# Altium PCB Ikea Environmental Sensor.PcbDoc (part 2 of 2)
Units mm, origin at the board's own origin, x right, y up, seen from the top; angles counter-clockwise.
Board outline 20 x 74.75 mm, 4 copper layers (Top Layer, Mid Layer 1, Mid Layer 2, Bottom Layer), stack 1.57 mm thick; 88 components, 61 nets, 301 pads, 204 vias.
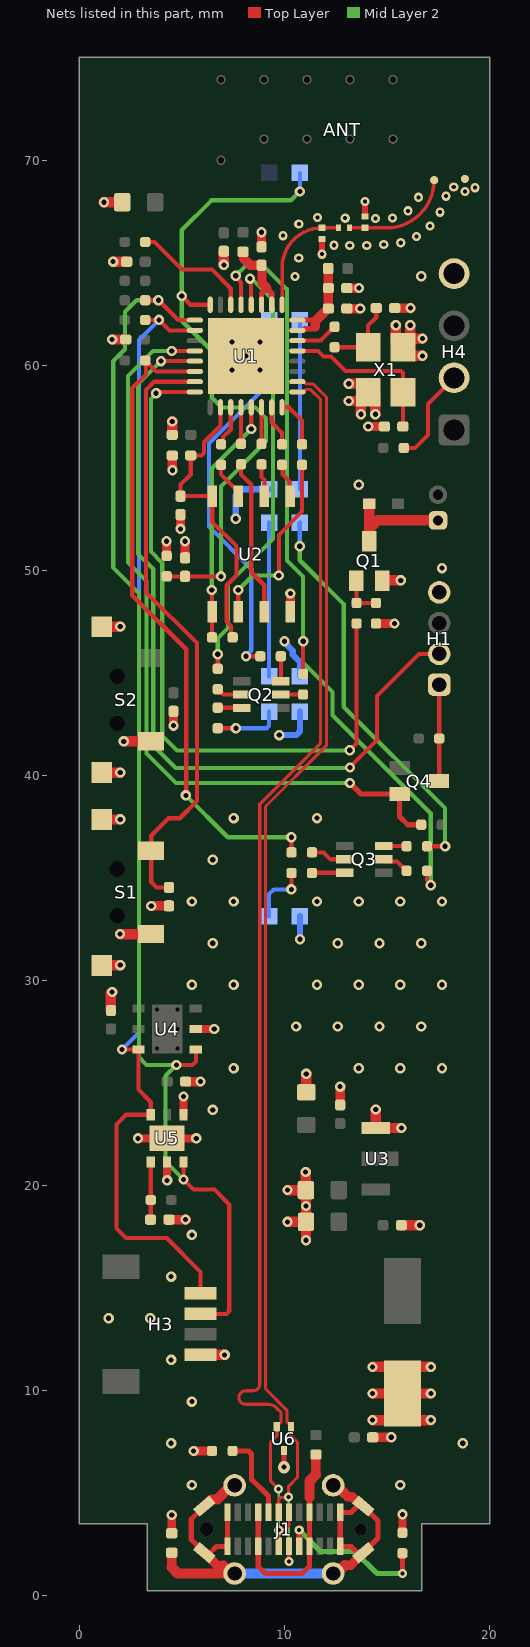
[diagram p4: the nets of this part, all layers, seen from the top]

## Via types
v1: diameter 0.5, hole 0.25, Top Layer to Bottom Layer, tented both sides, 105 vias
v2: diameter 0.508, hole 0.254, Top Layer to Bottom Layer, tented both sides, 65 vias
v3: diameter 0.45, hole 0.2, Top Layer to Bottom Layer, 19 vias
v4: diameter 0.45, hole 0.2, Top Layer to Bottom Layer, tented both sides, 12 vias
v5: diameter 0.6, hole 0.25, Top Layer to Bottom Layer, tented both sides, 1 vias
v6: diameter 0.4, hole 0.2, Top Layer to Bottom Layer, tented both sides, 1 vias
v7: diameter 0.5, hole 0.25, Top Layer to Bottom Layer, tented bottom, 1 vias

## Nets (pads, with @x,y where several pads share a name; then routed paths per layer and width w, separated by ;. In a path a pad name is that pad's centre, name@x,y a point inside that pad or via, vN(x,y) a via of type N, cw(c..) or ccw(c..) an arc to the next point about the centre after c; other vN are vias at no path point) (continued)
GND: ANT.2 C1.2 C2.2 C4.2 C5.2 C6.2 C7.2 C8.2 C9.2 C10.2 C11.2 C12.2 C13.2 C14.2 C15.2 C16.2 C17.2 C18.2 C19.2 C20.2 C22.2 C23.2 C24.2 C25.2 C26.2 C27.2 C28.2 C29.2 D3.2 D4.2 D5.2 D6.2 FB2.1 H1.4 H3.1 H4.4 Q1.2 R1.1 R2.1 R19.1 R30.1 S1.2 S1.3 S1.4 S2.2 S2.3 S2.4 U1.33 U2.4 U3.1 U4.2 U5.2 U5.4 U5.7 U6.3 X1.2 X1.4 | length 64.2
  Top Layer w0.254: v5(9.972,6.281) U6.3@9.972,7.094
  Top Layer w0.3: C12.2@13.924,67.31 v4(13.924,67.987)
  Top Layer w0.305: v4(11.828,65.419) C13.2@11.828,66.04
  Top Layer w0.381: v1(2.857,22.309) U5.7@3.754,22.309 ; v1(4.277,20.262) U5.2@4.277,21.159 ; U5.7@4.8,22.309 v1(5.697,22.309) ; U5.4@5.077,23.459 v1(5.077,24.356) ; U4.2@5.678,27.641 v1(6.575,27.641)
  Top Layer w0.406: FB2.1@4.5,3.055 v1(4.5,3.952) ; R1.1@15.748,3.081 v1(15.748,3.978)
  Top Layer w0.432: v1(4.244,51.422) 4.249,51.417 R30.1@4.249,50.716 ; C29.2@5.148,50.616 v1@5.148,51.417 ; U2.4@10.283,47.98 v1(10.283,48.877)
  Top Layer w0.457: v1(3.5,33.644) C23.2@4.367,33.644 ; C16.2@4.37,18.346 v1@5.172,18.346 ; C11.2@4.528,55.605 4.531,55.602 4.531,54.889 v1(4.533,54.886) ; v1(4.587,42.432) C24.2@4.587,43.13 ; v1(4.926,52.028) 4.93,52.031 4.93,52.717 C15.2@4.933,52.72 ; C17.2@5.177,25.078 v1(5.908,25.078) ; v1(5.571,7.069) R2.1@6.468,7.069 ; C6.2@8.878,65.777 v1(8.878,66.485) ; C27.2@12.713,23.934 v1(12.713,24.831) ; C10.2@13.04,62.765 v1(13.691,62.766) ; C9.2@13.078,63.765 v1(13.637,63.765) ; v1(14.085,57.018) C20.2@14.864,57.018 ; C2.2@14.298,7.731 v1@15.195,7.731 ; R19.1@14.459,47.409 v1(15.356,47.409) ; C19.2@15.373,62.791 v1@16.141,62.791
  Top Layer w0.508: S1.4@1.087,30.745 v1@1.984,30.745 ; S1.3@1.087,37.857 v1@1.984,37.857 ; S2.4@1.087,40.143 v1@1.984,40.143 ; S2.3@1.087,47.255 v1@1.984,47.255 ; v1(1.193,67.949) C4.2@2.09,67.949 ; C18.2@1.535,28.541 1.535,29.384 v1(1.596,29.446) ; v1(1.596,61.257) C7.2@2.26,61.257 ; v1(1.646,65.052) C14.2@2.309,65.052 ; v1(1.984,32.271) 1.986,32.269 S1.2@3.5,32.269 ; v1(2.159,41.667) S2.2@3.5,41.667 ; C8.2@4.529,56.608 v1(4.529,57.264) ; v1@5.172,18.346 v1(5.177,18.351) ; H3.1@5.908,11.753 v1(7.08,11.753) ; v1(7.042,64.897) C5.2@7.042,65.56 ; v1(10.146,19.788) C25.2@11.043,19.788 ; v1(10.149,18.239) C1.2@11.046,18.239 ; v1(11.031,20.665) 11.031,19.8 C25.2@11.043,19.788 ; v1(11.046,17.342) C1.2@11.046,18.239 ; C28.2@11.062,24.559 v1(11.062,25.456) ; v1(13.134,58.261) X1.2@13.726,58.261 ; v1(13.134,59.103) X1.2@14.031,59.103 ; v1(13.726,57.611) X1.2@13.726,58.261 ; X1.2@13.726,58.508 X1.2@13.726,58.261 ; X1.2@14.031,58.261 X1.2@13.726,58.261 ; v1(14.295,8.575) C22.2@15.141,8.575 ; v1(14.295,9.87) C22.2@15.141,9.87 ; v1(14.295,11.165) C22.2@15.141,11.165 ; v1(14.429,57.611) X1.2@14.429,58.508 ; U3.1@14.448,22.815 v1(14.448,23.712) ; Q1.2@14.771,49.516 v1(15.668,49.516) ; U3.1@14.798,22.815 v1(15.695,22.815) ; X1.4@15.426,61.056 v1(15.426,61.953) ; C26.2@15.698,18.071 v1(16.595,18.071) ; X1.4@15.824,60.461 v1(16.721,60.461) ; X1.4@15.824,61.303 X1.4@16.129,61.303 ; X1.4@16.129,61.056 X1.4@16.129,61.303 ; v1(16.129,61.953) X1.4@16.129,61.303 ; v1@16.141,62.791 v1(16.143,62.792) ; C22.2@16.355,8.575 v1(17.134,8.575) ; C22.2@16.355,9.87 v1(17.134,9.87) ; C22.2@16.355,11.165 v1(17.134,11.165) ; v1(16.721,61.303) X1.4@16.129,61.303 ; C25.2@11.043,19.788 11.048,19.783 v1(11.048,19.007) 11.048,18.241 C1.2@11.046,18.239
  Bottom Layer w0.305: v2(7.621,52.52) 7.621,53.648 7.926,53.953 D4.2@9.25,53.953 ; v2(9.747,41.972) 10.575,41.972 10.754,42.15 10.754,43.103 D3.2@10.75,43.107 ; v2(10,46.546) 10,46.491 10.402,46.089 10.402,45.885 10.75,45.537 D5.2@10.75,44.842 ; D6.2@10.752,33.132 10.752,32.016 v2(10.754,32.015)
  other v1: 15.203,7.739 1.992,30.753 1.992,37.865 1.992,40.151 1.992,47.263 5.143,51.422 7.443,59.766 8.813,59.766 7.443,61.138 8.813,61.138
  other v2: 5.486,5.41 15.646,5.41 4.47,7.442 18.694,7.442 5.486,9.474 4.47,11.506 1.422,13.538 3.454,13.538 4.47,15.57 5.486,17.602 6.502,23.698 7.518,25.73 13.614,25.73 15.646,25.73 17.678,25.73 10.566,27.762 12.598,27.762 14.63,27.762 16.662,27.762 5.486,29.794 7.518,29.794 11.582,29.794 13.614,29.794 15.646,29.794 17.678,29.794 6.502,31.826 12.598,31.826 14.63,31.826 16.662,31.826 5.486,33.858 7.518,33.858 11.582,33.858 13.614,33.858 15.646,33.858 17.678,33.858 6.502,35.89 7.518,37.922 11.582,37.922 17.678,50.114 13.614,54.178 16.662,64.338
  other v3: 10.511,64.329 10.696,65.238 13.179,65.835 14.009,65.835 12.406,65.854 14.839,65.892 15.665,65.976 16.436,66.286 9.927,66.32 17.097,66.79 10.696,66.891 14.436,67.159 12.958,67.174 15.267,67.185 11.602,67.205 17.579,67.467 16.022,67.531 16.53,68.189 17.867,68.247
  other v4: 18.796,68.473 19.291,68.66 18.251,68.699
  other v7: 8.128,60.452
GPIO2: R15.1 U1.6 | length 5.9
  Top Layer w0.203: R15.1@3.21,66.01 3.661,66.01 5.002,64.669 6.456,64.669 7.378,63.747 U1.6@7.378,62.952
GPIO8: R16.1 R26.2 U1.14 | length 31.9
  Top Layer w0.203: R16.1@3.21,60.232 R16.1@3.241,60.201 ; v2(5.19,39.031) 5.208,39.05 5.208,46.155 2.578,48.786 2.578,58.889 3.241,59.552 R16.1@3.241,60.201 ; U1.14@5.628,59.702 3.74,59.702 R16.1@3.241,60.201 ; v2(10.338,36.988) 10.34,36.986 10.34,36.256 R26.2@10.341,36.254
  Mid Layer 2 w0.203: v2(5.19,39.031) 7.233,36.988 v2(10.338,36.988)
GPIO9: C23.1 S1.1 U1.15 | length 29.8
  Top Layer w0.203: C23.1@4.367,34.544 3.761,34.544 3.5,34.805 S1.1@3.5,36.333 3.5,37.082 4.336,37.918 4.89,37.918 5.726,38.755 5.726,46.454 3.25,48.93 3.25,58.805 3.647,59.202 U1.15@5.628,59.202
LED_G: R22.2 R24.2 U1.5 | length 39.1
  Top Layer w0.203: v2(7.621,64.369) 7.621,64.286 7.878,64.029 U1.5@7.878,62.952 ; v2(10.908,46.547) 10.907,44.919 R22.2@10.945,44.881 ; R24.2@16.951,35.353 16.951,34.913 17.129,34.735 v2(17.129,34.653)
  Mid Layer 2 w0.203: v2(7.621,64.369) 8.12,64.868 8.957,64.868 10.12,63.705 10.12,50.489 10.908,49.702 v2(10.908,46.547) 10.908,45.51 12.34,44.078 12.34,42.937 17.129,38.147 v2(17.129,34.653)
LED_R: R20.2 U1.4 | length 22
  Top Layer w0.203: R20.2@6.742,45.207 v2(6.742,45.908) ; v2(8.315,64.228) 8.369,64.174 8.369,62.961 U1.4@8.378,62.952
  Mid Layer 2 w0.203: v2(6.742,45.908) 6.742,46.688 7.249,47.195 7.249,49.34 9.441,51.532 9.441,63.182 8.395,64.228 v2(8.315,64.228)
LIGHT: C29.1 D7.2 R30.2 U1.8 | length 32.1
  Top Layer w0.203: R30.2@4.255,49.711 5.372,49.711 v1(6.906,49.711) ; v1(4.988,63.376) 5.411,62.952 U1.8@6.378,62.952
  Mid Layer 2 w0.203: v1(6.906,49.711) 6.906,54.1 9.102,56.296 9.102,57.415 8.576,57.941 6.933,57.941 6.45,58.424 6.45,60.712 4.988,62.174 v1(4.988,63.376) 4.988,66.601 6.431,68.044 10.305,68.044 10.733,68.473 v2(10.75,68.473)
  Bottom Layer w0.203: v2(10.75,68.473) D7.2@10.75,69.38
LNA_IN: C13.1 L2.2 U1.1 | length 5.7
  Top Layer w0.172: U1.1@9.878,62.952 9.878,64.753 cw(c11.828,64.753) C13.1@11.828,66.703 L2.2@12.626,66.703
NetANT_1: ANT.1 C12.1 L2.1 | length 5.4
  Top Layer w0.172: L2.1@13.176,66.703 C12.1@13.924,66.703 14.972,66.703 ccw(c14.972,69.027) ANT.1@17.296,69.027
NetC16_1: C16.1 R3.1 U5.1 | length 2.8
  Top Layer w0.203: C16.1@3.47,18.346 3.475,18.351 3.475,19.3 R3.1@3.479,19.304 U5.1@3.479,21.159 ; U5.1@3.47,21.153 U5.1@3.477,21.159
NetC19_1: C19.1 R12.2 X1.1 | length 3.7
  Top Layer w0.203: R12.2@12.443,60.882 X1.1@14.078,60.882 14.078,61.941 14.473,62.336 C19.1@14.473,62.791
NetC20_1: C20.1 U1.29 X1.3 | length 8.2
  Top Layer w0.203: U1.29@10.628,60.702 11.629,60.702 11.903,60.429 12.271,60.429 12.974,59.725 15.679,59.725 15.778,59.626 X1.3@15.778,58.682 C20.1@15.778,57.018
NetD1_1: D1.1 R21.1 | length 19.5
  Top Layer w0.203: v2(8.12,45.814) R21.1@8.821,45.814
  Bottom Layer w0.203: v2(8.12,45.814) 8.12,45.828 8.378,46.085 8.378,50.067 6.313,52.132 6.313,56.194 9.533,59.414 9.533,61.922 D1.1@9.25,62.205
NetD1_2: D1.2 D4.1 | length 8.3
  Bottom Layer w0.203: D4.1@10.75,53.953 D1.2@10.75,62.205
NetD2_1: D2.1 R27.1 | length 19.6
  Top Layer w0.203: R27.1@16.951,36.554 v2(17.829,36.554)
  Mid Layer 2 w0.203: v2(10.744,51.181) 10.744,50.495 12.884,48.355 12.884,43.353 17.829,38.408 v2(17.829,36.554)
  Bottom Layer w0.203: v2(10.744,51.181) 10.744,52.318 D2.1@10.75,52.324
NetD2_2: D2.2 D5.1 | length 7.5
  Bottom Layer w0.203: D5.1@9.25,44.842 D2.2@9.25,52.324
NetD3_1: D3.1 R23.1 | length 3.2
  Top Layer w0.203: R23.1@6.742,42.307 v2(7.628,42.307)
  Bottom Layer w0.203: v2(7.628,42.307) 9.131,42.307 9.25,42.426 D3.1@9.25,43.107
NetD6_1: D6.1 R25.1 | length 3.1
  Top Layer w0.203: v2(10.334,34.447) 10.338,34.451 R25.1@10.338,35.249
  Bottom Layer w0.203: D6.1@9.25,33.132 9.25,34.219 9.478,34.447 v2(10.334,34.447)
NetD8_1: D8.1 H2.1 Q1.3 | length 6
  Top Layer w0.508: D8.1@14.135,53.254 14.135,52.038 ; H2.1@17.484,52.438 14.536,52.438 14.136,52.038 ; 14.135,52.038 Q1.3@14.136,51.412 14.136,52.038
NetFB2_2: FB2.2 J1.A1 J1.A12 J1.B1 J1.B12 J1.S1 J1.S2 J1.S3 J1.S4 J1.S5 J1.S6 J1.S7 J1.S8 | length 28.4
  Top Layer w0.254: J1.S8@6.088,4.379 5.452,3.743 5.452,2.745 J1.S7@6.088,2.109 6.117,2.08 6.353,2.08 6.687,2.414 J1.A12@7.218,2.414 J1.B1@7.218,4.074 ; J1.A1@12.718,2.414 J1.B12@12.718,4.074 13.249,4.074 13.583,4.408 13.819,4.408 J1.S6@13.848,4.379 14.56,3.667 14.56,2.82 J1.S5@13.848,2.109 13.819,2.08 13.583,2.08 13.249,2.414 J1.A1@12.718,2.414
  Top Layer w0.457: 4.5,1.391 FB2.2@4.5,2.105 ; J1.S7@6.088,2.109 6.716,1.481 7.021,1.481 ; J1.S8@6.088,4.379 6.419,4.71 6.724,4.71 ; 12.915,5.007 13.081,4.841 13.293,4.841 J1.S6@13.462,4.673 ; 12.928,1.494 13.233,1.494 J1.S5@13.819,2.08
  Top Layer w0.508: 4.5,1.391 4.798,1.094 J1.S3@7.408,1.094 ; 6.724,4.71 7.408,5.394 J1.S4@7.568,5.394 ; 7.021,1.481 J1.S3@7.408,1.094 ; J1.S3@7.568,1.094 J1.S3@7.408,1.094 ; J1.S1@12.368,1.094 12.528,1.094 12.928,1.494 ; J1.S2@12.368,5.394 12.528,5.394 12.915,5.007
  Bottom Layer w0.508: J1.S3@7.568,1.094 J1.S1@12.368,1.094
NetH4_2: H4.2 R13.2 | length 4.7
  Top Layer w0.203: R13.2@15.818,55.972 16.36,55.972 16.996,56.608 16.996,58.122 H4.2@18.265,59.39
NetJ1_A5: J1.A5 R1.2 | length 7.7
  Top Layer w0.254: v4(10.714,3.213) 10.716,3.211 10.716,2.416 J1.A5@10.718,2.414 ; v4(15.748,1.094) R1.2@15.748,2.081
  Mid Layer 2 w0.254: v4(10.714,3.213) 11.755,2.171 13.428,2.171 14.506,1.094 v4(15.748,1.094)
NetJ1_B5: J1.B5 R2.2 | length 4.2
  Top Layer w0.254: R2.2@7.468,7.069 8.244,7.069 8.393,6.92 8.393,5.65 ; 8.393,5.691 9.218,4.866 J1.B5@9.218,4.074
NetQ1_1: Q1.1 R18.2 R19.2 | length 2
  Top Layer w0.203: Q1.1@13.512,49.496 R18.2@13.512,48.409 R19.2@14.459,48.409
NetQ2_2: Q2.2 R20.1 | length 1.3
  Top Layer w0.203: R20.1@6.742,44.207 6.755,44.207 7.015,43.947 Q2.2@7.921,43.947
NetQ2_3: Q2.3 R23.2 | length 1.2
  Top Layer w0.203: R23.2@6.742,43.307 6.747,43.302 7.916,43.302 Q2.3@7.921,43.297
NetQ2_5: Q2.5 R22.1 | length 1.1
  Top Layer w0.203: Q2.5@9.821,43.947 R22.1@10.905,43.948
NetQ2_6: Q2.6 R21.2 | length 1.2
  Top Layer w0.203: Q2.6@9.821,44.597 R21.2@9.821,45.814
NetQ3_2: Q3.2 R24.1 | length 1.4
  Top Layer w0.203: Q3.2@14.831,35.913 14.93,35.815 15.489,35.815 R24.1@15.951,35.353
NetQ3_3: Q3.3 R27.2 | length 1.1
  Top Layer w0.203: Q3.3@14.831,36.563 14.836,36.559 15.946,36.559 R27.2@15.951,36.554
NetQ3_5: Q3.5 R26.1 | length 1.7
  Top Layer w0.203: R26.1@11.341,36.254 11.909,36.254 12.25,35.913 Q3.5@12.931,35.913
NetQ3_6: Q3.6 R25.2 | length 1.6
  Top Layer w0.203: R25.2@11.341,35.256 12.924,35.256 Q3.6@12.931,35.263
NetR7_1: R7.1 U1.19 | length 2
  Top Layer w0.203: R7.1@6.906,56.147 7.007,56.248 7.007,56.498 7.378,56.869 U1.19@7.378,57.952
NetR8_1: R8.1 U1.20 | length 1.8
  Top Layer w0.203: R8.1@7.878,56.172 U1.20@7.878,57.952
NetR9_1: R9.1 U1.22 | length 1.8
  Top Layer w0.203: R9.1@8.878,56.171 U1.22@8.878,57.952
NetR10_1: R10.1 U1.23 | length 2
  Top Layer w0.203: U1.23@9.378,57.952 9.378,57.208 9.878,56.708 R10.1@9.878,56.147
NetR11_1: R11.1 U1.24 | length 2.4
  Top Layer w0.203: U1.24@9.878,57.952 10.208,57.952 10.858,57.302 R11.1@10.858,56.146
NetR12_1: R12.1 U1.30 | length 2.1
  Top Layer w0.203: U1.30@10.628,61.202 11.763,61.202 R12.1@12.443,61.882
PM_RX: H1.2 U1.13 | length 39.1
  Top Layer w0.203: v1@3.98,60.202 U1.13@5.628,60.202 ; v1(13.19,40.397) 13.19,40.421 14.503,41.734 14.503,43.876 16.556,45.93 H1.2@17.544,45.93
  Mid Layer 2 w0.203: v1(3.979,60.201) 2.863,59.085 2.863,50.8 3.601,50.062 3.601,41.469 4.698,40.372 13.165,40.372 v1(13.19,40.397)
PM_TX: H1.1 Q4.3 R28.1 | length 4.7
  Top Layer w0.203: H1.1@17.532,44.442 H1.1@17.544,44.43 Q4.3@17.544,39.731
PM_TX-3V3: Q4.2 R29.1 U1.12 | length 38
  Top Layer w0.203: v1(4.504,60.702) U1.12@5.628,60.702
  Top Layer w0.25: v2(13.19,39.635) 13.728,39.096 Q4.2@15.61,39.096 15.605,39.091 15.605,38.003 16.005,37.603 R29.1@16.668,37.603
  Mid Layer 2 w0.2: v1(4.504,60.702) 3.58,60.702 2.363,59.485 2.363,50.395 3.271,49.487 3.271,41.066 4.703,39.635 v2(13.19,39.635)
PWM_FAN: R18.1 U1.16 | length 34.7
  Top Layer w0.203: v2(3.74,58.635) 3.798,58.693 4.003,58.693 4.011,58.702 U1.16@5.628,58.702 ; v2(13.179,41.231) 13.512,41.565 R18.1@13.512,47.409
  Mid Layer 2 w0.203: v2(3.74,58.635) 3.74,58.619 3.484,58.364 3.484,50.917 4.036,50.365 4.036,41.953 4.767,41.222 13.17,41.222 v2(13.179,41.231)
SCL: H3.4 R5.2 U1.10 U4.6 U5.6 | length 56.1
  Top Layer w0.203: v1(2.074,26.641) U4.6@2.878,26.641 2.878,24.687 3.477,24.088 U5.6@3.477,23.459 2.28,23.459 1.81,22.989 1.81,17.921 2.281,17.45 4.256,17.45 5.908,15.798 H3.4@5.908,14.753 ; R5.2@3.21,62.205 3.215,62.211 3.877,62.211 v1(3.882,62.216) 4.396,61.702 U1.10@5.628,61.702
  Bottom Layer w0.203: v1(2.074,26.641) 2.903,27.47 2.903,61.237 v1(3.882,62.216)
SDA: H3.3 R4.2 U1.9 U4.1 U5.3 | length 62.2
  Top Layer w0.203: R4.2@3.21,63.173 v1(3.848,63.173) 4.819,62.202 U1.9@5.628,62.202 ; v1(4.727,25.891) 5.505,25.891 5.678,26.064 U4.1@5.678,26.641 ; U5.3@5.077,21.159 5.08,21.156 v1(5.08,20.306) 5.571,19.815 6.578,19.815 7.305,19.088 7.305,13.888 7.17,13.753 H3.3@5.908,13.753 H3.3@6.383,13.753
  Mid Layer 2 w0.203: v1(3.848,63.173) 2.791,63.173 2.23,62.611 2.23,60.782 1.646,60.198 1.646,50.141 2.903,48.884 2.903,26.264 3.276,25.891 v1(4.727,25.891) 4.2,25.364 4.2,21.186 v1(5.08,20.306)
SPI_CLK: R9.2 U2.6 | length 1.6
  Top Layer w0.203: R9.2@8.878,55.171 8.878,54.555 9.028,54.405 9.028,53.635 U2.6@9.013,53.62
SPI_CS0: R17.1 U1.21 U2.1 | length 12
  Top Layer w0.203: v1(6.45,49.043) 6.461,49.032 6.461,47.989 6.472,47.979 6.472,46.737 R17.1@6.47,46.736 ; v1(8.378,56.889) U1.21@8.378,57.952
  Mid Layer 2 w0.203: v1(6.45,49.043) 6.45,54.96 v1(8.378,56.889)
SPI_IO0: R10.2 U2.5 | length 1.7
  Top Layer w0.203: R10.2@9.878,55.147 9.9,55.125 9.9,54.672 10.241,54.331 10.241,53.662 U2.5@10.283,53.62
SPI_IO1: R11.2 U2.2 | length 9.2
  Top Layer w0.203: U2.2@7.743,47.98 v1(7.743,49.043) ; v2(9.723,49.752) 9.723,51.733 10.858,52.868 R11.2@10.858,55.146
  Mid Layer 2 w0.203: v1(7.743,49.043) 8.451,49.752 v2(9.723,49.752)
SPI_IO2: R8.2 U2.3 | length 7.7
  Top Layer w0.203: R8.2@7.878,55.172 7.878,54.68 8.378,54.18 8.378,49.911 9.013,49.276 U2.3@9.013,47.98
SPI_IO3: R7.2 U2.7 | length 1.9
  Top Layer w0.203: R7.2@6.906,55.147 6.906,54.672 7.535,54.043 7.62,54.043 7.743,53.92 U2.7@7.743,53.62
USB_N: J1.A7 J1.B7 U1.25 U6.2 | length 62.6
  Top Layer w0.149: v4(9.704,5.216) 9.322,5.597 9.322,7.504 9.622,7.804 U6.2@9.622,8.244 9.622,8.319 9.698,8.395 9.747,8.395 9.834,8.482 9.834,8.944 9.67,9.108 9.596,9.182 ccw(c9.2,8.786) 9.2,9.346 8.105,9.346 cw(c8.105,9.675) 8.105,10.003 8.464,10.003 ccw(c8.464,10.331) 8.792,10.331 8.792,11.053 8.792,38.602 11.763,41.572 11.763,58.336 11.285,58.814 11.041,58.814 10.929,58.702 U1.25@10.628,58.702 ; J1.A7@9.718,2.414 v4(9.718,3.206) 9.75,3.238 10.022,3.238 10.218,3.434 J1.B7@10.218,4.074
  Mid Layer 2 w0.107: v4(9.704,5.216) v4@9.711,5.209 ; v4@9.711,3.213 v4(9.718,3.206)
  Mid Layer 2 w0.127: v4@9.711,3.213 v4@9.711,5.209
USB_P: J1.A6 J1.B6 U1.26 U6.1 | length 62.6
  Top Layer w0.149: J1.B6@9.718,4.074 9.718,4.722 9.805,4.809 10.093,4.809 10.2,4.702 v4(10.2,4.825) 10.2,5.353 10.622,5.775 10.622,7.504 10.322,7.804 U6.1@10.322,8.244 10.322,8.319 10.246,8.395 10.197,8.395 10.11,8.482 10.11,9.058 9.068,10.1 9.068,38.488 11.958,41.377 12.038,41.458 12.038,58.45 11.399,59.09 11.041,59.09 10.929,59.202 U1.26@10.628,59.202 ; v4(10.218,1.674) J1.A6@10.218,2.414
  Mid Layer 2 w0.127: v4@10.209,1.684 v4@10.209,4.816
VBUS: FB1.2 J1.A4 J1.A9 J1.B4 J1.B9 | length 11
  Top Layer w0.254: J1.B4@8.718,4.074 J1.A9@8.718,2.414 8.718,1.444 9.068,1.094 10.868,1.094 11.218,1.444 J1.A4@11.218,2.414 J1.B9@11.218,4.074 11.218,4.809
  Top Layer w0.457: 11.532,5.87 FB1.2@11.532,6.894
  Top Layer w0.508: 11.218,4.809 11.218,5.597 11.532,5.911
VDD3P3: C6.1 L1.2 U1.2 U1.3 | length 4.4
  Top Layer w0.254: U1.3@8.878,62.952 8.878,63.502 9.142,63.766 9.378,63.529 U1.2@9.378,62.952
  Top Layer w0.457: L1.2@7.999,65.531 7.999,65.214 8.336,64.877 C6.1@8.878,64.877 8.899,64.856 8.899,64.008 9.142,63.766
VDD_SPI: C11.1 C15.1 R17.2 U1.18 U2.8 | length 14.7
  Top Layer w0.203: U1.18@6.878,57.952 6.878,57.055 6.07,56.247 6.07,55.724 5.951,55.605 C11.1@5.428,55.605 5.428,54.68 4.933,54.185 C15.1@4.933,53.62 U2.8@6.473,53.62 6.473,52.369 7.661,51.181 7.661,49.752 7.184,49.275 7.184,47.501 7.395,47.291 7.395,46.811 R17.2@7.47,46.736
VDDA: C9.1 C10.1 FB3.1 U1.31 U1.32 | length 4.9
  Top Layer w0.254: U1.31@10.628,61.702 10.899,61.702 10.983,61.786 11.505,61.786 ; U1.32@10.628,62.202 11.458,62.202 11.505,62.155
  Top Layer w0.457: 11.505,61.874 11.505,62.129 ; 11.505,62.154 11.505,62.155 12.115,62.764 C10.1@12.14,62.764 C9.1@12.14,63.765 12.134,63.771 12.134,64.709 FB3.1@12.128,64.715
pads on no net: ANT.3 ANT.4 ANT.5 ANT.6 ANT.7 ANT.8 ANT.9 ANT.10 ANT.11 ANT.12 H3.M J1. J1.A2 J1.A3 J1.A8 J1.A10 J1.A11 J1.B2 J1.B3 J1.B8 J1.B10 J1.B11 S1. S2. U4.3 U4.4 U4.7 U4.V

## Polygon pours and split planes (outlines as drawn)
GND on Top Layer "GND - Top" (solid, remove dead copper, shelved, pour order 7): 20,69.088 20,0.261 0,0.261 0,69.088
GND on Top Layer "Top Layer-No Net 1" (solid, shelved, pour order 8): 12.949,67.593 13.134,67.517 13.293,67.395 13.415,67.236 13.491,67.051 13.517,66.853 13.517,66.553 13.491,66.355 13.415,66.17 13.293,66.011 13.134,65.889 12.949,65.813 12.751,65.787 12.501,65.787 12.303,65.813 12.252,65.834 12.201,65.813 12.003,65.787 11.653,65.787 11.545,65.801 11.411,65.76 11.222,65.659 11.057,65.524 10.922,65.359 10.821,65.17 10.759,64.966 10.738,64.749 10.738,63.464 10.754,63.425 10.76,63.376 10.773,63.327 10.773,63.277 10.78,63.227 10.78,62.677 10.773,62.627 10.773,62.577 10.76,62.528 10.754,62.479 10.734,62.432 10.721,62.384 10.682,62.288 10.636,62.21 10.582,62.115 10.535,62.068 10.44,61.973 10.363,61.929 10.267,61.873 10.171,61.834 10,61.788 9.978,61.782 9.845,61.782 9.778,61.782 9.667,61.811 9.585,61.834 9.489,61.873 9.428,61.909 9.316,61.973 9.174,62.115 9.13,62.192 9.074,62.288 9.035,62.384 9.022,62.432 9.002,62.479 8.996,62.528 8.983,62.577 8.983,62.627 8.976,62.677 8.976,63.227 8.983,63.277 8.983,63.327 8.996,63.376 9.002,63.425 9.018,63.464 9.018,64.732 9.016,64.753 9.02,64.79 9.019,64.828 9.059,65.227 9.076,65.3 9.088,65.375 9.204,65.758 9.235,65.827 9.262,65.897 9.451,66.251 9.495,66.312 9.534,66.376 9.789,66.686 9.844,66.737 9.895,66.792 10.205,67.047 10.269,67.086 10.33,67.13 10.684,67.319 10.754,67.346 10.823,67.377 11.206,67.493 11.248,67.5 11.27,67.517 11.455,67.593 11.653,67.619 12.003,67.619 12.201,67.593 12.252,67.572 12.303,67.593 12.501,67.619 12.751,67.619
5V0 on Top Layer "5V0 - Top" (solid, shelved, pour order 6): 11.15,7.613 11.444,7.319 13.454,7.319 13.75,7.615 13.75,12.118 14.085,12.453 19.343,12.453 19.504,12.614 19.504,19.183 19.133,19.554 16.177,19.554 15.226,20.505 12.571,20.505 11.923,19.857 11.923,18.596 11.923,15.784 11.15,15.011
GND on Top Layer "Top Layer-No Net" (solid, shelved, pour order 12): 17.321,69.994 17.346,69.995 17.395,69.986 17.445,69.982 17.523,69.967 17.571,69.951 17.62,69.941 17.665,69.919 17.713,69.903 17.755,69.875 17.8,69.852 17.866,69.808 17.904,69.775 17.945,69.747 17.979,69.709 18.016,69.676 18.044,69.635 18.077,69.597 18.122,69.531 18.144,69.486 18.172,69.444 18.188,69.396 18.21,69.351 18.22,69.302 18.236,69.254 18.251,69.176 18.255,69.126 18.265,69.077 18.261,69.027 18.265,68.977 18.255,68.927 18.251,68.877 18.236,68.799 18.22,68.752 18.21,68.702 18.188,68.657 18.172,68.61 18.144,68.568 18.122,68.523 18.113,68.51 18.11,68.479 18.093,68.406 18.081,68.332 17.943,67.878 17.912,67.809 17.885,67.739 17.662,67.32 17.618,67.259 17.578,67.195 17.277,66.828 17.222,66.777 17.171,66.722 16.804,66.421 16.74,66.381 16.679,66.337 16.26,66.114 16.19,66.087 16.121,66.056 15.667,65.918 15.593,65.906 15.52,65.889 15.047,65.842 15.01,65.844 14.972,65.839 14.937,65.843 14.371,65.843 14.297,65.813 14.099,65.787 13.749,65.787 13.55,65.813 13.525,65.823 13.499,65.813 13.301,65.787 13.051,65.787 12.853,65.813 12.668,65.889 12.509,66.011 12.387,66.17 12.311,66.355 12.285,66.553 12.285,66.853 12.311,67.051 12.387,67.236 12.509,67.395 12.668,67.517 12.853,67.593 13.051,67.619 13.301,67.619 13.499,67.593 13.525,67.583 13.55,67.593 13.749,67.619 14.099,67.619 14.297,67.593 14.371,67.563 14.972,67.563 14.978,67.562 15.258,67.589 15.533,67.673 15.786,67.808 16.008,67.99 16.191,68.213 16.326,68.466 16.392,68.682 16.382,68.702 16.372,68.752 16.356,68.799 16.34,68.877 16.337,68.927 16.327,68.977 16.33,69.027 16.327,69.077 16.337,69.126 16.34,69.176 16.356,69.254 16.372,69.302 16.382,69.351 16.404,69.396 16.42,69.444 16.448,69.486 16.47,69.531 16.514,69.597 16.548,69.635 16.575,69.676 16.613,69.709 16.646,69.747 16.688,69.775 16.726,69.808 16.792,69.852 16.837,69.875 16.879,69.903 16.926,69.919 16.971,69.941 17.021,69.951 17.068,69.967 17.146,69.982 17.196,69.986 17.246,69.995 17.271,69.994 17.296,69.997
3V3 on Top Layer "3V3 - Top" (solid, shelved, pour order 0): 9.922,23.466 9.571,23.115 9.571,21.389 10.007,20.952 11.441,20.952 11.622,20.772 15.215,20.772 16.22,19.766 19.135,19.766 19.508,20.14 19.508,22.405 19.098,22.815 16.271,22.815 15.518,22.062 13.423,22.062 13.069,22.416 13.069,23.184 12.787,23.466
GND on Bottom Layer "GND_Bot" (solid, remove dead copper, shelved, pour order 13): 20,69.088 20,0.261 0,0.261 0,69.088
5V0 on Bottom Layer "5V0 Bot" (solid, shelved, pour order 11): 13.716,16.256 14.224,16.764 19.05,16.764 19.558,16.256 19.558,13.462 19.05,12.954 14.224,12.954 13.716,13.462
3V3 on Bottom Layer "3V3 Bot" (solid, shelved, pour order 9): 2.454,68.495 5.393,68.495 7.573,68.495 8.436,67.631 8.436,66.67 7.743,65.976 0.356,65.976 0.137,66.195
GND on Mid Layer 1 "GND_Layer 2" (solid, remove dead copper, shelved, pour order 1): 20,69.088 20,0.261 0,0.261 0,69.088
GND on Mid Layer 2 "GND_Layer 3" (solid, remove dead copper, shelved, pour order 10): 20,69.088 20,0.953 0,0.953 0,69.088

## Keep-outs
Keep-Out Layer:
  the board outline again, w0.762

## Other copper
Top Layer:
  pour cut-out: 1.328,64.802 1.332,64.798 2.858,64.798 2.858,64.564 2.687,64.393 1.328,64.393
  pour cut-out: 7.109,6.712 7.109,10.618 9.074,10.618 9.074,6.717
  pour cut-out: 6.278,62.302 9.978,62.302 9.978,58.602 6.278,58.602
  region net GND: 19.177,68.834 18.415,68.834 18.415,69.088 19.177,69.088
  pour cut-out: 8.678,66.952 8.536,66.809 8.536,65.375 9.22,65.375 9.22,66.809 9.078,66.952
  pour cut-out: 12.028,65.32 12.17,65.463 12.17,66.304 11.486,66.304 11.486,65.463 11.628,65.32
  pour cut-out: 13.724,68.086 13.582,67.943 13.582,67.102 14.266,67.102 14.266,67.943 14.123,68.086
  pour cut-out: 13.292,61.597 13.292,59.626 14.905,59.626 14.905,61.594
  pour cut-out: 18.546,69.088 18.546,69.101 16.144,69.101 16.144,69.83 18.54,69.83
  pour cut-out: 17.325,69.53 17.355,69.53 17.434,69.515 17.544,69.469 17.61,69.425 17.652,69.383 17.694,69.341 17.738,69.275 17.784,69.164 17.8,69.086 17.8,68.967 17.784,68.889 17.738,68.779 17.694,68.713 17.667,68.686 17.651,68.524 17.643,68.496 17.64,68.466 17.502,68.011 17.488,67.985 17.479,67.956 17.255,67.537 17.236,67.514 17.222,67.488 16.921,67.121 16.897,67.101 16.878,67.078 16.511,66.777 16.485,66.763 16.462,66.744 16.043,66.52 16.014,66.511 15.988,66.497 15.533,66.359 15.503,66.356 15.475,66.348 15.002,66.301 14.987,66.303 14.972,66.3 14.949,66.304 14.266,66.304 14.216,66.271 14.099,66.247 13.749,66.247 13.632,66.271 13.582,66.304 13.468,66.304 13.418,66.271 13.301,66.247 13.051,66.247 12.934,66.271 12.835,66.337 12.769,66.436 12.745,66.553 12.745,66.853 12.769,66.97 12.835,67.069 12.934,67.135 13.051,67.159 13.301,67.159 13.418,67.135 13.468,67.102 13.582,67.102 13.632,67.135 13.749,67.159 14.099,67.159 14.216,67.135 14.266,67.102 14.972,67.102 14.985,67.099 15.348,67.135 15.71,67.245 16.044,67.423 16.336,67.663 16.576,67.955 16.754,68.289 16.864,68.65 16.873,68.749 16.853,68.779 16.808,68.889 16.792,68.967 16.792,69.086 16.808,69.164 16.853,69.275 16.898,69.341 16.94,69.383 16.982,69.425 17.048,69.469 17.158,69.515 17.236,69.53 17.266,69.53 17.296,69.536
  pour cut-out: 12.868,67.135 12.967,67.069 13.033,66.97 13.057,66.853 13.057,66.553 13.033,66.436 12.967,66.337 12.868,66.271 12.751,66.247 12.501,66.247 12.384,66.271 12.334,66.304 12.17,66.304 12.12,66.271 12.003,66.247 11.653,66.247 11.536,66.271 11.527,66.276 11.525,66.276 11.234,66.188 10.965,66.044 10.73,65.851 10.537,65.616 10.393,65.347 10.305,65.056 10.276,64.759 10.277,64.753 10.277,63.389 10.296,63.344 10.31,63.274 10.319,63.227 10.319,62.677 10.31,62.63 10.296,62.56 10.256,62.464 10.209,62.393 10.19,62.365 10.15,62.339 10.091,62.299 9.995,62.259 9.956,62.252 9.878,62.236 9.8,62.252 9.761,62.259 9.665,62.299 9.594,62.346 9.566,62.365 9.54,62.405 9.5,62.464 9.46,62.56 9.446,62.63 9.437,62.677 9.437,63.227 9.446,63.274 9.46,63.344 9.479,63.389 9.479,64.739 9.476,64.753 9.479,64.768 9.478,64.783 9.517,65.182 9.526,65.211 9.529,65.241 9.645,65.625 9.659,65.651 9.668,65.68 9.857,66.034 9.876,66.057 9.891,66.084 10.145,66.394 10.168,66.413 10.187,66.436 10.497,66.69 10.524,66.705 10.547,66.724 10.901,66.913 10.93,66.922 10.956,66.936 11.34,67.052 11.37,67.055 11.399,67.064 11.436,67.067 11.437,67.069 11.536,67.135 11.653,67.159 12.003,67.159 12.12,67.135 12.17,67.102 12.334,67.102 12.384,67.135 12.501,67.159 12.751,67.159
  pour cut-out: 2.159,28.956 2.159,26.289 6.35,26.289 6.35,28.956
Mid Layer 1:
  pour cut-out: 2.857,28.956 2.857,26.289 5.697,26.289 5.697,28.956
  pour cut-out: 8.678,66.952 8.536,66.809 8.536,65.375 9.22,65.375 9.22,66.809 9.078,66.952
  pour cut-out: 13.724,68.086 13.582,67.943 13.582,67.102 14.266,67.102 14.266,67.943 14.123,68.086
  pour cut-out: 12.028,65.32 12.17,65.463 12.17,66.304 11.486,66.304 11.486,65.463 11.628,65.32
Mid Layer 2:
  pour cut-out: 3.429,28.956 3.429,26.289 5.258,26.289 5.258,28.956
Bottom Layer:
  pour cut-out: 3.302,28.956 3.302,26.289 5.258,26.289 5.258,28.956

## Silkscreen, mask and mechanical layers (free items; w line width, h text height)
Board:
  circle w0.013: c3.5,72.211 r2
  circle w0.013: c17.5,6.061 r2
  circle w0.013: c2.5,6.061 r2
  circle w0.013: c3.5,72.211 r1
  circle w0.013: c2.5,6.061 r1
  circle w0.013: c17.5,6.061 r1
  lines w0.013: 3.3,3.511 0,3.511 0,75.011 20,75.011 20,3.511 16.7,3.511 ; 3.3,3.552 3.3,0.302 16.7,0.302 16.7,3.552
Route Tool Path:
  lines w0.013: 10,0.261 10,75.011 ; 9.2,32.611 9.2,33.411 10.8,33.411 10.8,32.611 9.2,32.611 ; 9.2,42.711 9.2,43.511 10.8,43.511 10.8,42.711 9.2,42.711 ; 9.2,44.511 9.2,45.311 10.8,45.311 10.8,44.511 9.2,44.511 ; 9.2,51.811 9.2,52.611 10.8,52.611 10.8,51.811 9.2,51.811 ; 9.2,53.211 9.2,54.011 10.8,54.011 10.8,53.211 9.2,53.211 ; 9.2,63.311 9.2,64.111 10.8,64.111 10.8,63.311 9.2,63.311 ; 9.2,69.011 9.2,69.811 10.8,69.811 10.8,69.011 9.2,69.011
Dimensions:
  lines w0.013: 3.6,28.611 ccw(c10,28.611) 10,22.211 ccw(c10,28.611) 16.4,28.611 16.4,68.611 ccw(c10,68.611) 10,75.011 ccw(c10,68.611) 3.6,68.611 3.6,28.611 ; 4.6,28.611 ccw(c10,28.611) 10,23.211 ccw(c10,28.611) 15.4,28.611 15.4,68.611 ccw(c10,68.611) 10,74.011 ccw(c10,68.611) 4.6,68.611 4.6,28.611

## Dimensions
16.7,0.302 to 22.144,50.429 on Drill Guide